# Altium PCB PCB.PcbDoc (part 2 of 3)
Units mil, origin at the board's own origin, x right, y up, seen from the top; angles counter-clockwise.
Board outline 3148.02 x 1850.61 mil, 4 copper layers (Top Layer, Power, Signal, Bottom Layer), stack 74.892 mil thick; 183 components, 163 nets, 707 pads, 859 vias.
Unrouted connection lines stored in the file: 81.
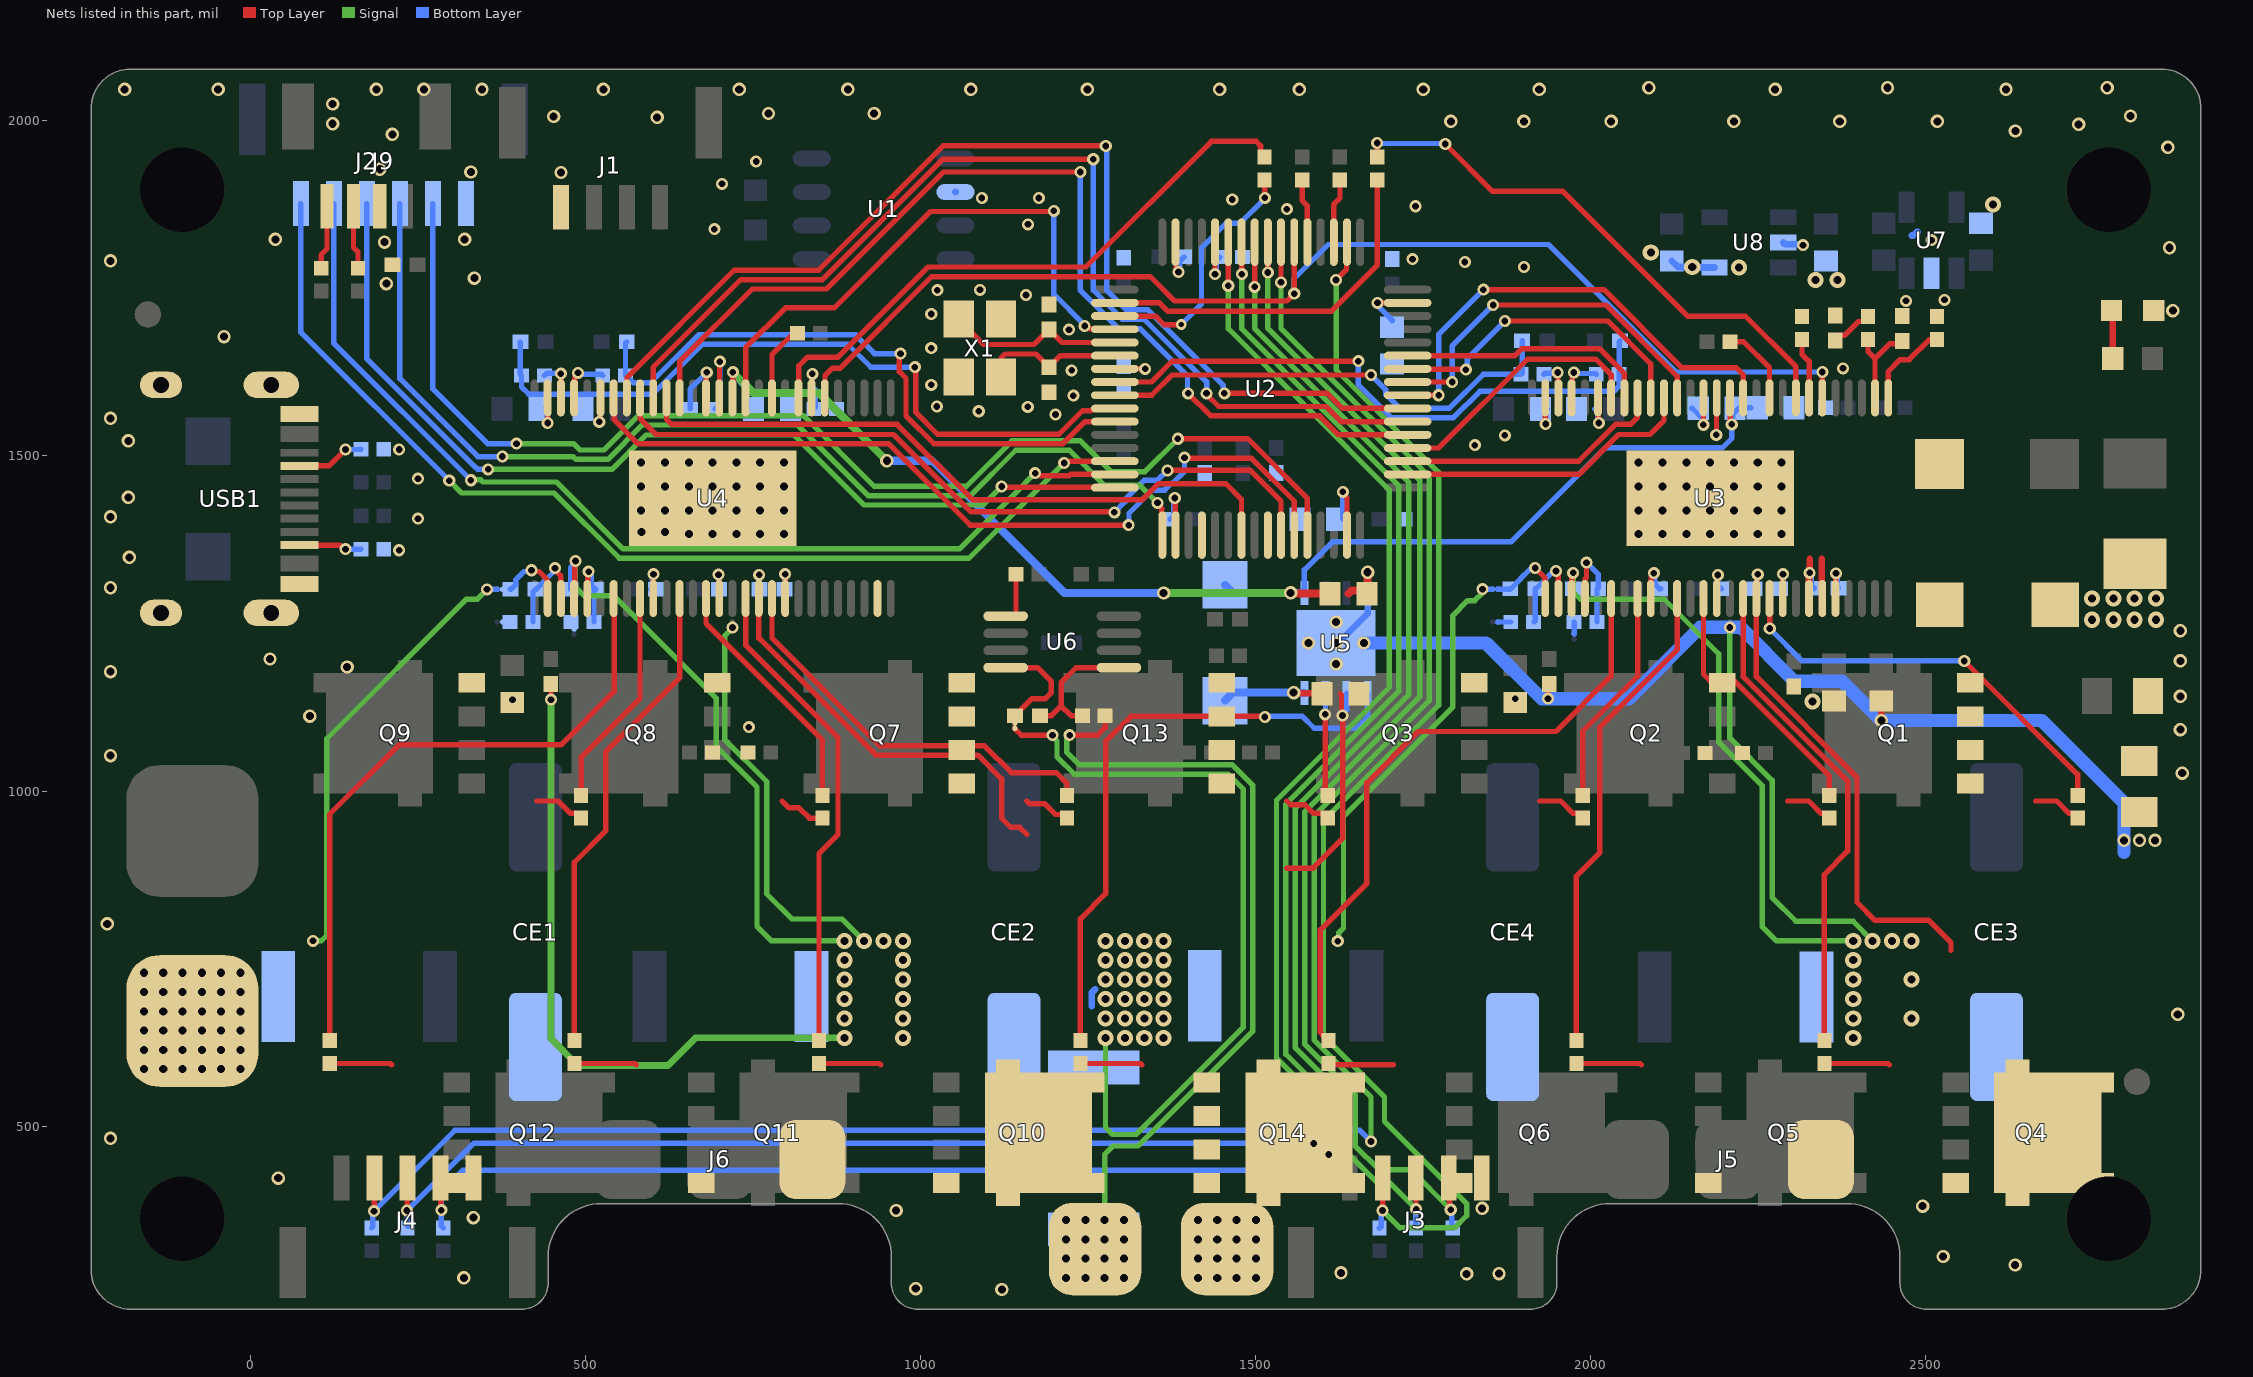
[diagram p4: the nets of this part, all layers, seen from the top]

## Via types
v1: diameter 24, hole 12, Top Layer to Bottom Layer, tented top, 470 vias
v2: diameter 18, hole 10, Top Layer to Bottom Layer, tented top, 182 vias
v3: diameter 20, hole 12, Top Layer to Bottom Layer, tented top, 107 vias
v4: diameter 24, hole 12, Top Layer to Bottom Layer, tented both sides, 66 vias
v5: diameter 18, hole 10, Top Layer to Bottom Layer, tented both sides, 31 vias
v6: diameter 20, hole 12, Top Layer to Bottom Layer, tented both sides, 2 vias
v7: diameter 16, hole 8, Top Layer to Bottom Layer, tented top, 1 vias

## Nets (pads, with @x,y where several pads share a name; then routed paths per layer and width w, separated by ;. In a path a pad name is that pad's centre, name@x,y a point inside that pad or via, vN(x,y) a via of type N, cw(c..) or ccw(c..) an arc to the next point about the centre after c; other vN are vias at no path point) (continued)
GH_A: R15.1 U3.47 | length 625.9
  Top Layer w8: U3.47@2266.97,1287.3 2267.15,1287.12 2267.15,1242.53 v5(2267.33,1242.35) ; v5(2557.47,1194.13) 2726.79,1024.81 R15.1@2726.79,993.55
  Bottom Layer w8: v5(2267.33,1242.35) 2315.55,1194.13 v5(2557.47,1194.13)
GH_A_nP: R30.2 U4.47 | length 606.9
  Top Layer w8: U4.47@778.63,1287.3 778.63,1228.21 939.41,1067.43 1095.66,1067.43 1135.72,1027.36 1202.76,1027.36 1218.84,1011.28 R30.2@1218.84,993.55
GH_B: R16.1 U3.42 | length 392.3
  Top Layer w8: U3.42@2168.54,1287.3 2168.54,1174.21 2178.77,1163.99 2214.41,1163.99 2356.16,1022.23 R16.1@2356.16,993.55
GH_B_nP: R31.2 U4.42 | length 365.7
  Top Layer w8: U4.42@680.21,1287.3 680.21,1249.87 853.84,1076.24 R31.2@853.84,993.55
GH_C: R17.1 U3.37 | length 327.6
  Top Layer w8: R17.1@1988.29,993.55 1988.29,1089.43 2070.12,1171.26 U3.37@2070.12,1287.3
GH_C_nP: R32.2 U4.37 | length 330.2
  Top Layer w8: R32.2@493.84,993.55 493.84,1050.13 581.78,1138.07 U4.37@581.78,1287.3
GL_A: R19.1 U3.45 | length 738.7
  Top Layer w8: U3.45@2227.6,1287.3 2227.6,1170.6 2383.55,1014.64 2383.55,910.22 2348.84,875.51 R19.1@2348.84,627.55
GL_A_nP: R34.2 U4.45 | length 728.5
  Top Layer w8: U4.45@739.26,1287.3 739.26,1217.7 877.06,1079.91 877.06,935.04 848.84,906.82 R34.2@848.84,627.55
GL_B: R20.1 U3.40 | length 722
  Top Layer w8: R20.1@1978.84,627.55 1978.84,873.08 2013.89,908.13 2013.89,1095.23 2129.17,1210.51 U3.40@2129.17,1287.3
GL_B_nP: R35.2 U4.40 | length 724.8
  Top Layer w8: R35.2@483.84,627.55 483.84,893.76 530.4,940.32 530.4,1058.18 640.84,1168.62 U4.40@640.84,1287.3
GL_C: R21.1 U3.35 | length 965.1
  Top Layer w8: R21.1@1608.84,627.55 1608.84,628.05 1602.21,634.68 1601.7,634.68 1596.77,639.62 1596.77,792.89 1666.08,862.2 1666.08,1012.2 1742.71,1088.83 1948.09,1088.83 2030.75,1171.48 U3.35@2030.75,1287.3
GL_C_nP: R36.2 U4.35 | length 977.2
  Top Layer w8: R36.2@118.84,627.55 118.84,965.38 222.42,1068.97 463.73,1068.97 543.14,1148.38 543.14,1286.57 U4.35@542.41,1287.3
GND: C1.2 C2.2 C3.1 C4.1 C5.1 C6.1 C7.1 C9.1 C10.1 C11.1 C13.1 C14.1 C16.1 C18.1 C21.1 C31.1 C35.1 C45.1 C52.1 C55.1 C56.1 C57.1 CT1.2 D2.2 FB1.2 FB2.1 J1.4 J2.2 J3.5 J4.5 J9.6 LED1.2 R3.1 R7.2 R8.2 R11.1 R12.2 R14.2 R29.2 U1.2 U2.18 U2.63 U3.57 U4.55 U4.57 U7.2 U8.2 U8.4 USB1.0 USB1.A1 USB1.A12 USB1.B1 USB1.B12 X1.G | length 310.4
  Top Layer w8: v2(1379.59,1437.2) 1380.13,1436.66 1380.13,1382.4 U2.18@1380.66,1381.86 ; U2.63@1380.66,1818.87 1381.39,1818.14 1381.39,1780.18 1385.04,1776.53 v2(1385.04,1774.51)
  Top Layer w10: v4(2071.78,1489.85) v4(2107.31,1489.85)
  Bottom Layer w8: C4.1@1373.08,1405.67 1378.55,1411.15 1377.68,1412.02 1377.68,1435.28 v2(1379.59,1437.2) ; v2(1385.04,1774.51) 1386.96,1776.42 1386.96,1789.97 1386.42,1789.97 1393.25,1796.8 C7.1@1393.81,1796.8
  Bottom Layer w10: U1.2@1052.54,1893.8 U1.2@1052.98,1894.23 ; C56.1@2121.09,1791.05 2130.35,1781.8 v4(2151.7,1781.8) 2152.29,1781.21 U8.4@2184.91,1781.21 ; U8.2@2287.28,1818.61 2290.27,1815.62 2315.78,1815.62 v5(2316.93,1814.48) ; 2479.24,1828.86 2481.41,1828.86 2486.74,1834.2 2488.13,1834.2
  other v1: 2748.33,1255.54 2780.08,1255.54 2811.83,1255.54 2843.59,1255.54 2748.33,1287.3 2780.08,1287.3 2811.83,1287.3 2843.59,1287.3
  other v2: 391.46,1136.23 1887.71,1137.83 222.42,1359.2 250.36,1406.33 250.36,1466.13 222.42,1509.47 1827.37,1515.96 1872.12,1530.66 1201.67,1561.66 1087.16,1566.66 1024.58,1573.71 1160.22,1573.16 1228.18,1589.92 1016.29,1605.95 1225.69,1627.67 2376.49,1630.63 1016.29,1660.79 1221.76,1688.36 1016.29,1711.75 2470.62,1731.3 2528.16,1732.79 1157.58,1740.06 1025.42,1747.31 1088.93,1747.86 1900.53,1781.99 1812.41,1789.34 1734.42,1793.5 2508.8,1821.88 692.67,1838.35 1160.52,1845.42 1546.84,1868.15 1738.8,1872.52 1465.31,1882.54 1091.66,1884.84 1176.82,1884.71 704.07,1905.93 754.94,1939.4
  other v3: 1121.71,256.19 993.1,257.44 319,273.55 1815,279.7 1863.36,279.9 1627.65,280.94 2633.52,292.81 2526.04,305.54 333.17,363.53 963.84,374.17 1838.22,377.4 2495.49,380.64 41.97,422.44 -208.29,481.8 2876.08,666.8 -213.18,801.67 2882.76,1026.55 -208.29,1052.91 2879.83,1091.66 89.17,1111.8 2879.83,1141.35 -208.29,1178 144.63,1185.11 2879.83,1194.14 29.64,1196.92 2879.83,1239.14 -208.29,1303.26 -180.13,1348.64 -208.29,1409.11 -181.74,1438.18 -181.74,1522.5 -208.29,1555.9 -39,1678 2868.81,1716.66 203.34,1756.99 334.61,1765.18 -208.29,1791.07 2863.69,1810.54 200.49,1818.96 37.54,1823.1 320,1823.1 463.81,1922.8 329.23,1923.64 193.5,1927.67 2861.35,1960.22 212.3,1979.67 2633.81,1984.84 2728.28,1994.68 123.06,1995.61 1791.61,1999.03 1900.53,1999.03 2030.58,1999.03 2213.88,1999.03 2371.74,1999.03 2517.32,1999.03 607.15,2005.16 452.82,2006.42 2805.62,2007.12 773.4,2010.9 930.96,2010.9 123.06,2025 -187.15,2046.8 -47.6,2046.8 188.21,2046.8 259.22,2046.8 346.01,2046.8 526.91,2046.8 729.78,2046.8 891.71,2046.8 1075.29,2046.8 1249.05,2046.8 1446.57,2046.8 1565.37,2046.8 1750.33,2046.8 1923.41,2046.8 2275.35,2046.8 2619.8,2046.8 2086.84,2049.28 2443.06,2049.28 2770.8,2049.28
  other v4: 2330.89,1133.36 654.5,1383.27 690.03,1383.27 725.55,1383.27 761.07,1383.27 796.6,1383.27 2071.78,1383.27 2107.31,1383.27 2142.83,1383.27 2178.36,1383.27 2213.88,1383.27 2249.41,1383.27 2284.93,1383.27 583.81,1386.8 618.81,1386.8 583.45,1418.8 618.97,1418.8 654.5,1418.8 690.03,1418.8 725.55,1418.8 761.07,1418.8 796.6,1418.8 2071.78,1418.8 2107.31,1418.8 2142.83,1418.8 2178.36,1418.8 2213.88,1418.8 2249.41,1418.8 2284.93,1418.8 583.45,1454.32 618.97,1454.32 654.5,1454.32 690.03,1454.32 725.55,1454.32 761.07,1454.32 796.6,1454.32 2071.78,1454.32 2107.31,1454.32 2142.83,1454.32 2178.36,1454.32 2213.88,1454.32 2249.41,1454.32 2284.93,1454.32 583.45,1489.85 618.97,1489.85 654.5,1489.85 690.03,1489.85 725.55,1489.85 761.07,1489.85 796.6,1489.85 2142.83,1489.85 2178.36,1489.85 2213.88,1489.85 2249.41,1489.85 2284.93,1489.85 2335.61,1762.58 2368.46,1762.58 2221.61,1781.21 2089.8,1803.65 2600.29,1875.36
GPIO_1: J9.1 U2.14 | length 1605.9
  Top Layer w8: v2(1214.59,1489.41) 1216.5,1491.33 1220.79,1491.33 1221.56,1492.1 U2.14@1290.11,1492.1
  Signal w8: v2(297.11,1463.12) 315.55,1444.68 453.38,1444.68 550.8,1347.27 1072.45,1347.27 v2(1214.59,1489.41)
  Bottom Layer w8: J9.1@75.78,1876.41 75.78,1684.45 v2(297.11,1463.12)
GPIO_2: J9.2 U2.15 | length 1550.4
  Top Layer w8: v2(1171.25,1474.25) 1173.96,1474.25 1177.8,1470.41 1222.46,1470.41 1224.46,1472.41 U2.15@1290.11,1472.41
  Signal w8: v2(329.23,1463.68) 329.96,1464.41 343.86,1464.41 347.26,1461 456.86,1461 556.59,1361.27 1058.28,1361.27 1140.91,1443.91 v2(1171.25,1474.25)
  Bottom Layer w8: J9.2@124.99,1876.41 124.99,1667.92 v2(329.23,1463.68)
GPIO_3: J9.3 U2.16 | length 1492.4
  Top Layer w8: v2(1121.3,1454.32) 1122.16,1453.46 1289.38,1453.46 U2.16@1290.11,1452.73
  Signal w8: v2(355.13,1480) 539.65,1480 590.87,1531.22 811.7,1531.22 916.17,1426.75 1093.72,1426.75 v2(1121.3,1454.32)
  Bottom Layer w8: J9.3@174.21,1876.41 174.21,1644.75 336.28,1482.68 337.1,1482.68 339.78,1480 v2(355.13,1480)
GPIO_4: J9.4 U2.17 | length 1617.8
  Top Layer w8: v2(1353.67,1430.01) 1353.67,1427.84 1360.25,1421.27 1360.25,1382.59 U2.17@1360.98,1381.86
  Signal w8: v2(376.28,1499) 481.97,1499 486.17,1494.8 533.73,1494.8 584.99,1546.07 816.65,1546.07 921.97,1440.75 1074.69,1440.75 1142.36,1508.41 1222.46,1508.41 1274.89,1455.98 1327.7,1455.98 v2(1353.67,1430.01)
  Bottom Layer w8: J9.4@223.42,1876.41 223.42,1615.34 339.75,1499 v2(376.28,1499)
GPIO_5: J9.5 U2.28 | length 1842.9
  Top Layer w8: v2(1384.16,1525.56) 1488.62,1525.56 1577.51,1436.67 U2.28@1577.51,1381.86
  Signal w8: v2(397.57,1518.22) 482.56,1518.22 491.97,1508.8 527.93,1508.8 579.19,1560.07 825.64,1560.07 930.96,1454.75 1068.89,1454.75 1136.56,1522.41 1238.77,1522.41 1284.6,1476.59 1335.19,1476.59 v2(1384.16,1525.56)
  Bottom Layer w8: J9.5@272.63,1876.41 272.63,1599.92 354.34,1518.22 v2(397.57,1518.22)
GVDD: C21.2 C35.2 C48.2 D3.2 U3.13 U4.13 U5.1 | length 2105.7
  Top Layer w8: U4.13@719.58,1586.51 719.86,1586.79 719.86,1624.63 v2(720.14,1624.91) ; U3.13@2207.91,1586.51 2208.64,1585.78 2208.64,1555.66 2208.71,1555.6 2208.71,1548.99 v2(2210.62,1547.07)
  Top Layer w12: v3@1553.17,1294.92 C48.2@1600.69,1294.92
  Top Layer w15: v3(1552.52,1295.57) v3@1553.17,1294.92 ; C48.2@1600.69,1294.92 C48.2@1601.34,1294.26
  Signal w12: v2(720.14,1624.91) 750.98,1594.07 848.57,1594.07 v3(949.89,1492.75) ; v3(1363.06,1295.42) 1363.35,1295.13 1552.08,1295.13 v3(1552.52,1295.57)
  Bottom Layer w8: v2(720.14,1624.91) 720.14,1621.11 741.41,1599.84 C35.2@741.41,1569.96 ; U5.1@1573.03,1295.42 1573.03,1329.95 1614.88,1371.8 1881.55,1371.8 2021.75,1512 2196.49,1512 2210.62,1526.13 v2(2210.62,1547.07) 2212.54,1548.99 2212.54,1562.73 2221.61,1571.8 C21.2@2238.81,1571.8
  Bottom Layer w12: v3(949.89,1492.75) 1017.71,1492.75 1215.03,1295.42 v3(1363.06,1295.42) ; D3.2@1454.53,1307.53 1466.63,1295.42 1466.78,1295.57 v3(1552.52,1295.57) ; v3@1552.67,1295.42 U5.1@1573.03,1295.42
M0_ENC_A: J3.4 R58.1 U2.56 | length 1803.9
  Top Layer w8: v2(1518.45,1773.68) U2.56@1518.46,1818.87 ; J3.4@1788.38,422.67 1789.87,421.18 1789.87,376.77 v5(1791.36,375.27)
  Signal w8: v2(1518.45,1773.68) 1518.45,1690.14 1663.89,1544.71 1664.08,1544.71 1745.29,1463.49 1745.29,1140.7 1573.43,968.84 1573.43,622.62 1648.79,547.26 1648.79,470.4 1684.19,435 1731.63,435 v5(1791.36,375.27)
  Bottom Layer w8: v5(1791.36,375.27) 1792.82,373.81 1792.82,349.57 R58.1@1794.29,348.11
M0_ENC_B: J3.3 R57.1 U2.57 | length 1769.2
  Top Layer w8: v2(1498.77,1752.18) U2.57@1498.77,1818.87 ; J3.3@1739.17,422.67 1739.45,422.39 1739.45,376.39 v5(1739.73,376.11)
  Signal w8: v2(1498.77,1752.18) 1498.77,1690.02 1658.09,1530.71 1658.28,1530.71 1728.8,1460.18 1728.8,1144.01 1559.43,974.64 1559.43,616.82 1627.31,548.95 1627.31,469.62 1681.93,415 1700.83,415 v5(1739.73,376.11)
  Bottom Layer w8: R57.1@1738.84,348.11 1739.28,348.55 1739.28,375.66 v5(1739.73,376.11)
M0_ENC_Z: J3.2 R56.1 U2.50 | length 1903.4
  Top Layer w8: v2(1620.28,1762.52) 1635.84,1778.08 1635.84,1818.14 U2.50@1636.57,1818.87 ; v5(1689.43,374.17) 1689.69,374.44 1689.69,422.4 J3.2@1689.96,422.67
  Signal w8: v2(1620.28,1762.52) 1620.28,1628.54 1773.29,1475.52 1773.29,1127.98 1601.43,956.12 1601.43,634.22 1692.42,543.23 1692.42,506.86 1815,384.28 1815,366.3 1796.98,348.28 1715.32,348.28 v5(1689.43,374.17)
  Bottom Layer w8: R56.1@1684.94,347.49 1687.52,350.07 1687.52,372.26 v5(1689.43,374.17)
M0_nCS: R54.1 U3.8 | length 830.8
  Top Layer w8: R54.1@1681.64,1945.74 v2(1681.64,1966.96) ; v2(1783.19,1965.39) 1853.91,1894.67 1958.88,1894.67 2144.92,1708.63 2230.8,1708.63 2306.34,1633.1 U3.8@2306.34,1586.51
  Bottom Layer w8: v2(1681.64,1966.96) 1682.43,1966.17 1782.41,1966.17 v2(1783.19,1965.39)
M0_SN1: NT1.1 R22.1 | length 17.6
  Bottom Layer w8: NT1.1@1975.41,1234.48 R22.1@1975.41,1252.11
M0_SN2: NT2.1 R27.1 | length 19.1
  Bottom Layer w8: NT2.1@1861.7,1252.11 R27.1@1880.83,1252.11
M0_SP1: C25.1 NT3.1 U3.32 | length 62.9
  Top Layer w8: U3.32@1971.69,1287.3 1971.69,1323.2 v2(1974,1325.52)
  Bottom Layer w8: C25.1@1974,1301.8 v2(1974,1325.52)
M0_SP2: C26.1 NT4.1 U3.30 | length 120.7
  Top Layer w8: v2(1917.38,1332.82) 1931.59,1318.61 1931.59,1288.03 U3.30@1932.32,1287.3
  Bottom Layer w8: NT4.1@1861.7,1301.19 1879.51,1301.19 C26.1@1880.12,1301.8 1881.1,1301.8 1895.71,1316.41 1895.71,1316.77 1909.85,1330.91 1915.47,1330.91 v2(1917.38,1332.82)
M0_TEMP: C12.2 R9.1 RT1.2 U2.25
M1_ENC_A: J4.4 R61.1 U2.58 | length 3005.3
  Top Layer w8: J4.4@283.96,422.67 284.61,422.01 284.61,375.27 v5(285.27,374.61) ; U2.58@1479.09,1818.87 1479.35,1818.6 1479.35,1771.44 v2(1479.62,1771.17)
  Signal w8: v2(1479.62,1771.17) 1479.62,1689.38 1652.29,1516.71 1652.48,1516.71 1713.58,1455.61 1713.58,1148.58 1545.43,980.44 1545.43,607.23 1609.17,543.49 v5(1609.17,457.57)
  Bottom Layer w8: R61.1@288.2,348.11 285.27,351.04 v5(285.27,374.61) 285.27,402.2 317.37,434.29 1585.89,434.29 v5(1609.17,457.57)
M1_ENC_B: J4.3 R60.1 U2.59 | length 3004.8
  Top Layer w8: v5(233.84,374.17) 234.29,374.63 234.29,422.21 J4.3@234.75,422.67 ; v2(1459.4,1753.91) U2.59@1459.4,1818.87
  Signal w8: v2(1459.4,1753.91) 1459.4,1689.8 1576.89,1572.31 1576.89,1572.09 1699.58,1449.4 1699.58,1154.38 1531.43,986.24 1531.43,601.43 1586.92,545.94 v5(1586.92,474.16)
  Bottom Layer w8: R60.1@235.39,350.57 234.29,351.67 234.29,373.72 v5(233.84,374.17) 334.27,474.6 1586.47,474.6 v5(1586.92,474.16)
M1_ENC_Z: J4.2 R59.1 U2.55 | length 3157.7
  Top Layer w8: v5(184.94,373.22) 185.24,373.51 185.24,422.37 J4.2@185.54,422.67 ; v2(1538.14,1758.94) U2.55@1538.14,1818.87
  Signal w8: v2(1538.14,1758.94) 1538.14,1690.25 1669.69,1558.71 1669.87,1558.71 1759.29,1469.29 1759.29,1134.9 1587.43,963.04 1587.43,628.42 1672.36,543.49 v5(1672.36,477.13)
  Bottom Layer w8: R59.1@181.29,348.11 183.11,349.94 v5@183.11,371.39 ; v5(184.94,373.22) 305.33,493.6 1655.89,493.6 v5(1672.36,477.13)
M1_nCS: R55.1 U4.8 | length 898.1
  Top Layer w8: U4.8@818.01,1586.51 818.73,1587.24 818.73,1634.47 831.57,1647.31 877.03,1647.31 1011.57,1781.85 1246.76,1781.85 1434.22,1969.3 1501.19,1969.3 1507.81,1962.68 1507.81,1951.54 R55.1@1513.61,1945.74
M1_SN1: NT6.1 R37.1
M1_SN2: NT7.1 R42.1
M1_SP1: C39.1 NT8.1 U4.32 | length 102.3
  Top Layer w8: U4.32@483.36,1287.3 484.09,1288.03 484.09,1342.05 v2(485.36,1343.31)
  Bottom Layer w8: C39.1@478.01,1300.85 478.01,1333.26 485.36,1340.61 v2(485.36,1343.31)
M1_SP2: C40.1 NT9.1 U4.30 | length 105.2
  Top Layer w8: v2(419.9,1329.39) 421.81,1327.47 431.37,1327.47 442.28,1316.56 443.26,1315.58 443.26,1288.03 U4.30@443.99,1287.3
  Bottom Layer w8: C40.1@388.29,1300.85 389.27,1300.85 396.1,1307.68 396.1,1314.76 408.81,1327.47 417.98,1327.47 v2(419.9,1329.39)
M1_TEMP: C32.2 R28.2 RT2.2 U2.20
  other v2: 744.11,1095.21
NetC9_2: C9.2 U2.47 | length 80.4
  Top Layer w8: v2(1682.14,1728.32) U2.47@1727.12,1728.32
  Bottom Layer w8: v2(1682.14,1728.32) 1683.41,1727.04 1683.41,1723.22 1703.81,1702.82 C9.2@1703.81,1701.83
NetC10_2: C10.2 U2.31 | length 108
  Top Layer w8: v2(1630.35,1446.31) 1630.35,1443.61 1636.57,1437.39 U2.31@1636.57,1381.86
  Bottom Layer w8: v2(1630.35,1446.31) 1630.35,1406.43 C10.2@1631.11,1405.67
NetC16_2: C16.2 R13.2 U3.2 | length 143
  Top Layer w8: R13.2@2413.82,1673.64 2413.82,1655.64 2424.45,1645.01 ; U3.2@2424.45,1586.51 2424.45,1645.01 ; C16.2@2465.02,1671.24 2461.23,1667.44 2446.88,1667.44 2424.45,1645.01
NetC17_1: C17.1 D2.1 L1.1 U3.50 U3.51 | length 144.1
  Top Layer w10: U3.50@2326.02,1287.3 2326.02,1324.69 v2(2326.85,1325.52) 2326.85,1346.36 ; 2344.81,1346.36 2344.81,1288.19 U3.51@2345.71,1287.3
  Bottom Layer w10: v2(2326.85,1325.52) 2328,1324.37 2328,1307.01 C17.1@2332.45,1302.56
NetC17_2: C17.2 U3.52 | length 61.6
  Top Layer w8: U3.52@2365.39,1287.3 2365.74,1287.65 2365.74,1324.46 v2(2366.1,1324.82)
  Bottom Layer w8: v2(2366.1,1324.82) 2367.97,1322.94 2367.97,1304.44 C17.2@2369.85,1302.56
NetC18_2: C18.2 R13.1 | length 64.5
  Top Layer w8: C18.2@2364.93,1672.03 2364.93,1673.01 2371.76,1679.84 2378.88,1679.84 2399.63,1700.58 2407.19,1700.58 2413.82,1707.21 R13.1@2413.82,1707.72
NetC19_2: C19.2 U3.48 | length 58.6
  Top Layer w8: U3.48@2286.65,1287.3 2286.93,1287.58 2286.93,1323.28 v5(2287.22,1323.56)
  Bottom Layer w8: C19.2@2286.41,1301.8 2287.22,1302.61 v5(2287.22,1323.56)
NetC20_2: C20.2 U3.43 | length 58.4
  Top Layer w8: U3.43@2188.23,1287.3 2188.95,1288.03 2188.95,1321.45 v5(2189.82,1322.32)
  Bottom Layer w8: v5(2189.82,1322.32) 2189.82,1307.02 C20.2@2195.04,1301.8
NetC22_1: C22.1 U3.14 | length 95.3
  Top Layer w8: v5(2187.47,1531.47) 2187.85,1531.85 2187.85,1586.13 U3.14@2188.23,1586.51
  Bottom Layer w8: v5(2187.47,1531.47) 2187.79,1531.79 2187.79,1570.78 2188.12,1571.11
NetC22_2: C22.2 U3.15 | length 72.6
  Top Layer w8: v5(2168.22,1546.5) 2168.38,1546.66 2168.38,1586.35 U3.15@2168.54,1586.51
  Bottom Layer w8: C22.2@2150.72,1571.11 2151.7,1571.11 2166.69,1556.11 2166.69,1548.03 v5(2168.22,1546.5)
NetC23_2: C23.2 U3.38 | length 68.2
  Top Layer w8: U3.38@2089.8,1287.3 2090.53,1288.03 2090.53,1319.08 2094.33,1322.88 v5(2094.33,1325.04)
  Bottom Layer w8: v5(2094.33,1325.04) 2095.86,1323.51 2095.86,1308.63 2102.68,1301.8 C23.2@2104.6,1301.8
NetC24_1: C24.1 U3.23 | length 61
  Top Layer w8: U3.23@2011.06,1586.51 2011.69,1585.88 2011.69,1549.87 v2(2012.32,1549.24)
  Bottom Layer w8: 2006.41,1569.96 2010.41,1565.96 2010.41,1551.15 v2(2012.32,1549.24)
NetC25_2: C25.2 R22.2 U3.33 | length 151.2
  Top Layer w8: U3.33@1991.38,1287.3 1992.1,1288.03 1992.1,1316.75 1993.88,1318.53 v2(1993.88,1340.68)
  Bottom Layer w8: v2(1993.88,1340.68) 1994.26,1340.68 2011.35,1323.59 2011.35,1302.72 2009.49,1300.87 R22.2@2009.49,1252.11
NetC26_2: C26.2 R27.2 U3.31 | length 134.6
  Top Layer w8: v2(1948.28,1328.25) 1948.28,1326.09 1952.01,1322.36 U3.31@1952.01,1287.3
  Bottom Layer w8: R27.2@1915.9,1252.11 1917.52,1253.74 C26.2@1917.52,1301.8 1918.51,1301.8 1943.43,1326.72 1946.75,1326.72 v2(1948.28,1328.25)
NetC27_2: C27.2 R25.2 U2.8 | length 908.6
  Top Layer w8: U2.8@1290.11,1610.21 1344.71,1610.21 1375.81,1641.31 v2(1653.42,1641.31)
  Bottom Layer w8: v2(1653.42,1641.31) 1653.42,1605.79 1702.07,1557.14 1795.42,1557.14 1834.68,1596.39 2034.8,1596.39 2042.55,1604.15 R25.2@2042.55,1621.8 2042.55,1670.54 C27.2@2043.81,1671.8
NetC28_2: C28.2 R26.2 U2.9 | length 714.9
  Top Layer w8: U2.9@1290.11,1590.52 1345.09,1590.52 1375.31,1620.74 v2(1672.42,1620.74)
  Bottom Layer w8: v2(1672.42,1620.74) 1694.61,1598.55 1694.61,1591.47 1714.88,1571.2 1789.39,1571.2 1840,1621.8 R26.2@1896.18,1621.8 1897.87,1623.49 C28.2@1897.87,1671.8
NetC29_2: C29.2 U3.27 | length 63
  Top Layer w8: U3.27@1932.01,1586.82 1932.6,1586.23 1932.6,1547.83 v2(1932.88,1547.55)
  Bottom Layer w8: v2(1932.88,1547.55) 1932.88,1567.57 C29.2@1935.27,1569.96
NetC33_2: C33.2 U4.48 | length 59.3
  Top Layer w8: U4.48@798.32,1287.3 v5(798.33,1323.52)
  Bottom Layer w8: C33.2@797.33,1300.85 797.83,1301.36 797.83,1323.01 v5(798.33,1323.52)
NetC34_2: C34.2 U4.43 | length 58.2
  Top Layer w8: v5(698.77,1322.74) 699.89,1321.62 U4.43@699.89,1287.3
  Bottom Layer w8: v5(698.77,1322.74) 699.25,1322.26 699.25,1301.33 C34.2@699.73,1300.85
NetC36_1: C36.1 U4.14 | length 128.1
  Top Layer w8: U4.14@699.89,1586.51 700.32,1586.93 700.32,1640.23 v2(700.74,1640.66)
  Bottom Layer w8: C36.1@693.81,1569.96 693.91,1569.96 700.74,1576.79 v2(700.74,1640.66)
NetC36_2: C36.2 U4.15 | length 103.8
  Top Layer w8: U4.15@680.21,1586.51 680.76,1587.06 680.76,1624.19 v2(681.32,1624.74)
  Bottom Layer w8: C36.2@656.41,1569.96 656.41,1599.83 v2(681.32,1624.74)
NetC37_2: C37.2 U4.38 | length 60.8
  Top Layer w8: U4.38@601.47,1287.3 601.6,1287.43 601.6,1323.39 v5(601.73,1323.52)
  Bottom Layer w8: C37.2@597.33,1300.85 600.2,1303.72 600.2,1321.98 v5(601.73,1323.52)
NetC38_1: C38.1 U4.23 | length 56.7
  Top Layer w8: v2(520.89,1550.76) 522,1551.87 522,1585.78 U4.23@522.73,1586.51
  Bottom Layer w8: v2(520.89,1550.76) 522.65,1552.52 522.65,1569.04 523.5,1569.89
NetC39_2: C39.2 R37.2 U4.33 | length 121.3
  Top Layer w8: U4.33@503.04,1287.3 503.77,1288.03 503.77,1325.88 v2(505.13,1327.23)
  Bottom Layer w8: v2(505.13,1327.23) 505.13,1324.52 509.17,1320.48 509.17,1307.68 508.91,1307.43 508.84,1307.43 C39.2@515.41,1300.85 513.03,1298.47 R37.2@513.03,1252.25
NetC40_2: C40.2 R42.2 U4.31 | length 143.3
  Top Layer w8: v2(454.88,1332.52) 454.88,1329.81 463.67,1321.02 U4.31@463.67,1287.3
  Bottom Layer w8: R42.2@421.97,1252.25 421.97,1297.14 C40.2@425.69,1300.85 426.67,1300.85 452.97,1327.15 452.97,1330.6 v2(454.88,1332.52)
NetC41_2: C41.2 R40.2 U2.11 | length 946.3
  Top Layer w8: v2(970.26,1652.62) 968.73,1651.09 968.73,1625.74 978.61,1615.86 978.61,1559.68 1020.01,1518.28 1212.73,1518.28 1245.6,1551.15 U2.11@1290.11,1551.15
  Bottom Layer w8: C41.2@561.82,1669.99 560.16,1668.33 R40.2@560.16,1619.97 560.66,1619.97 571.29,1609.35 597.72,1609.35 669,1680.62 903.35,1680.62 931.35,1652.62 v2(970.26,1652.62)
NetC42_2: C42.2 R41.2 U2.10 | length 1098.9
  Top Layer w8: v2(991.84,1632.43) 993.18,1631.09 993.18,1564.91 1025.81,1532.28 1206.93,1532.28 1242.27,1567.63 1254.68,1567.63 1255.98,1568.93 1257.65,1568.93 1259.55,1570.84 U2.10@1290.11,1570.84
  Bottom Layer w8: C42.2@403.27,1669.99 403.27,1621.64 R41.2@404.93,1619.97 404.93,1602.85 415.76,1592.02 600.2,1592.02 674.79,1666.62 891.71,1666.62 926.06,1632.27 991.68,1632.27 v2(991.84,1632.43)
NetC43_2: C43.2 U4.27 | length 61.3
  Top Layer w8: v2(443.99,1549.12) U4.27@443.99,1586.51
  Bottom Layer w8: C43.2@440.68,1571.67 442.46,1569.89 442.46,1550.65 v2(443.99,1549.12)
NetC47_1: C47.1 J7.1 Q13.S Q14.D U5.6 | length 354.6
  Top Layer w8: 1546.84,885.04 1585.96,885.04 1630.04,929.11 1630.04,1107.02 1629.91,1107.14 v2(1629.91,1112.8) 1628.42,1114.29 1628.42,1143.59 1626.93,1145.08
  Bottom Layer w8: v2(1629.91,1112.8) 1629.91,1114.96 1636.02,1121.08 U5.6@1636.02,1146.21
  other v1: 1414.23,273.55 1442.99,273.55 1471.75,273.55 1500.51,273.55 1414.23,302.31 1442.99,302.31 1471.75,302.31 1500.51,302.31 1414.23,331.07 1442.99,331.07 1471.75,331.07 1500.51,331.07 1414.23,359.83 1442.99,359.83 1471.75,359.83 1500.51,359.83
NetC47_2: C47.2 D3.1 U5.8 | length 157.1
  Top Layer w10: v3(1556.96,1146.83) 1557.84,1145.95 1588.65,1145.95 C47.2@1589.53,1145.08
  Bottom Layer w12: D3.1@1454.53,1134.89 1466.47,1146.83 v3(1556.96,1146.83) ; v3@1556.86,1146.52 1572.94,1146.52 1573.03,1146.43 U5.8@1573.03,1146.21
NetC49_2: C49.2 R46.2 U6.1 | length 205.4
  Top Layer w8: C49.2@1178.48,1112.39 1195.41,1112.39 1210.12,1127.1 ; R46.2@1241.64,1112.39 1224.84,1112.39 1210.12,1127.1 ; U6.1@1296.32,1184.14 1232.6,1184.14 1210.12,1161.66 1210.12,1127.1
NetJ2_3: J2.3 R4.2 | length 95.4
  Top Layer w8: J2.3@154.13,1872.47 154.29,1872.3 154.29,1811.07 160.99,1804.38 R4.2@160.99,1779.94
NetJ2_4: J2.4 R6.1 | length 96.1
  Top Layer w8: R6.1@106.08,1779.94 106.08,1800.42 114.76,1809.1 J2.4@114.76,1872.47
NetLED1_1: LED1.1 R49.1 | length 72
  Top Layer w10: LED1.1@2777.34,1716.66 2779.15,1714.85 R49.1@2779.15,1645.45
NetQ1_G: Q1.G R15.2 | length 73.8
  Top Layer w8: 2663.84,985.04 2695.53,985.04 2713.96,966.6 2720.16,966.6 2726.79,959.97 R15.2@2726.79,959.47
NetQ2_G: Q2.G R16.2 | length 73.2
  Top Layer w8: 2293.84,985.04 2325.53,985.04 2343.96,966.6 2349.53,966.6 2356.16,959.97 R16.2@2356.16,959.47
NetQ3_G: Q3.G R17.2 | length 75.3
  Top Layer w8: 1923.84,985.04 1955.53,985.04 1973.96,966.6 1981.66,966.6 1988.29,959.97 R17.2@1988.29,959.47
NetQ4_G: Q4.G R19.2 | length 98
  Top Layer w8: R19.2@2348.84,593.47 2444.08,593.47 2446.04,591.51
NetQ5_G: Q5.G R20.2 | length 98
  Top Layer w8: R20.2@1978.84,593.47 2074.08,593.47 2076.04,591.51
NetQ6_G: Q6.G R21.2 | length 98
  Top Layer w8: R21.2@1608.84,593.47 1610.8,591.51 1706.04,591.51
NetQ7_G: Q7.G R30.1 | length 70.6
  Top Layer w8: 1158.84,985.04 1163,980.87 1185.84,980.87 1201.67,965.04 1213.27,965.04 R30.1@1218.84,959.47
NetQ8_G: Q8.G R31.1 | length 70.6
  Top Layer w8: 793.84,985.04 804.11,974.77 818.99,974.77 834.3,959.47 R31.1@853.84,959.47
NetQ9_G: Q9.G R32.1 | length 76.9
  Top Layer w8: 427.84,985.04 459.52,985.04 477.96,966.6 487.21,966.6 493.84,959.97 R32.1@493.84,959.47
NetQ10_G: Q10.G R34.1 | length 93
  Top Layer w8: R34.1@848.84,593.47 939.08,593.47 941.04,591.51
NetQ11_G: Q11.G R35.1 | length 93
  Top Layer w8: R35.1@483.84,593.47 574.08,593.47 576.04,591.51
NetQ12_G: Q12.G R36.1 | length 93
  Top Layer w8: R36.1@118.84,593.47 209.08,593.47 211.04,591.51
NetQ13_G: Q13.G R44.1 | length 74.3
  Top Layer w8: 1546.84,985.04 1552.37,979.5 1573.84,979.5 1586.74,966.6 1601.34,966.6 1608.84,959.1 R44.1@1608.84,957.56
NetQ14_G: Q14.G R45.1 | length 92.3
  Top Layer w8: R45.1@1238.81,593.47 1328.3,593.47 1330.26,591.51
NetR3_2: R3.2 USB1.A5 | length 101.9
  Top Layer w8: USB1.A5@73.63,1485.07 117.93,1485.07 v2(142.33,1509.47)
  Bottom Layer w8: v2(142.33,1509.47) 165,1509.47 R3.2@165.29,1509.75
NetR7_1: R7.1 USB1.B5 | length 94.2
  Top Layer w8: USB1.B5@73.63,1366.96 134.06,1366.96 140.16,1360.85 v2(142.33,1360.85)
  Bottom Layer w8: v2(142.33,1360.85) R7.1@165.29,1360.85
NetR8_1: R8.1 U2.60 | length 76.2
  Top Layer w8: v2(1439.68,1771.22) U2.60@1439.72,1818.87
  Bottom Layer w8: v2(1439.68,1771.22) 1441.59,1773.13 1441.59,1791.5 1441.53,1791.56 R8.1@1446.77,1796.8
NetR12_1: R12.1 U3.1 | length 131.9
  Top Layer w8: U3.1@2444.13,1586.51 2444.13,1625.73 2461.91,1643.51 2475.29,1643.51 2505.42,1673.64 R12.1@2516.96,1673.64
NetR14_1: R14.1 U3.7 | length 91.5
  Top Layer w8: R14.1@2315.48,1673.64 2315.48,1651.51 2326.02,1640.97 U3.7@2326.02,1586.51
NetR18_2: R18.2 U3.10 | length 120.3
  Top Layer w8: R18.2@2207.79,1670.31 2228.23,1670.31 2266.97,1631.58 U3.10@2266.97,1586.51
NetR25_1: R25.1 U3.25 | length 73.7
  Top Layer w8: U3.25@1971.69,1586.51 1972.42,1587.24 1972.42,1615.76 1973.02,1616.36 1973.02,1622.39 v2(1974.93,1624.3)
  Bottom Layer w8: v2(1974.93,1624.3) 1976.18,1623.05 2007.22,1623.05 R25.1@2008.47,1621.8
NetR26_1: R26.1 U3.26 | length 60.3
  Top Layer w8: v2(1950.93,1624.55) 1951.47,1624.02 1951.47,1587.04 U3.26@1952.01,1586.51
  Bottom Layer w8: R26.1@1930.26,1621.8 1931.63,1623.18 1949.56,1623.18 v2(1950.93,1624.55)
NetR29_1: R29.1 U4.7 | length 92
  Top Layer w8: U4.7@837.69,1586.51 838.27,1587.09 838.27,1621.9 v2(838.85,1622.48)
  Bottom Layer w8: v2(838.85,1622.48) 838.85,1603.2 843.57,1598.48 843.57,1572.59 R29.1@840.94,1569.96
NetR33_2: R33.2 U4.10 | length 115.7
  Top Layer w8: U4.10@778.63,1586.51 778.63,1651.03 810.65,1683.04 R33.2@816.56,1683.04
NetR40_1: R40.1 U4.25 | length 78.3
  Top Layer w8: U4.25@483.36,1586.51 484.09,1587.24 484.09,1616 489.29,1621.2 v2(489.29,1623.9)
  Bottom Layer w8: v2(489.29,1623.9) 491.2,1621.99 524.06,1621.99 R40.1@526.08,1619.97
NetR41_1: R41.1 U4.26 | length 62.3
  Top Layer w8: U4.26@463.67,1586.51 v2(463.68,1622.63)
  Bottom Layer w8: R41.1@439.01,1619.97 442.22,1623.18 463.12,1623.18 v2(463.68,1622.63)
NetR44_2: R44.2 U5.7 | length 154.5
  Top Layer w8: v2(1604.05,1114.33) 1604.05,997.46 R44.2@1607.97,993.55
  Bottom Layer w8: v2(1604.05,1114.33) 1604.53,1114.8 U5.7@1604.53,1146.21
NetR45_2: R45.2 U5.5 | length 919.8
  Top Layer w8: R45.2@1238.81,627.55 1238.81,809.26 1276.39,846.85 1276.39,1073.82 1314.08,1111.51 1512.74,1111.51 v2(1513.96,1110.29)
  Bottom Layer w8: v2(1513.96,1110.29) 1515.18,1111.51 1569.85,1111.51 1587.73,1093.63 1650.86,1093.63 1667.52,1110.29 U5.5@1667.52,1146.21
NetR48_2: R48.2 U6.5 | length 76.3
  Top Layer w8: U6.5@1127.34,1260.92 1139.82,1260.92 1142.74,1263.84 R48.2@1142.74,1323.57
NetR52_2: R52.2 U2.51 | length 96.5
  Top Layer w8: U2.51@1616.88,1818.87 1616.88,1875.53 1626.06,1884.71 R52.2@1626.06,1911.59
NetR53_2: R53.2 U2.53 | length 96.1
  Top Layer w8: R53.2@1569.62,1911.66 1569.62,1880.97 1577.51,1873.08 U2.53@1577.51,1818.87
NetR54_2: R54.2 U2.2 | length 552.3
  Top Layer w8: U2.2@1290.11,1728.32 1356.56,1728.32 1368.87,1716 1613.37,1716 1681.64,1784.27 R54.2@1681.64,1911.66
NetR55_2: R55.2 U2.3 | length 384
  Top Layer w8: U2.3@1290.11,1708.63 1350.89,1708.63 1363.89,1695.64 1388.83,1695.64 v7(1389.22,1696.02) ; R55.2@1513.61,1911.66 1513.89,1911.38 v2(1513.89,1885)
  Bottom Layer w8: v7(1389.22,1696.02) 1419.52,1726.32 1419.52,1810.42 1456.22,1847.12 1476.69,1847.12 1513.89,1884.32 v2(1513.89,1885)
NetU2_4: U2.4 U4.12 | length 857.2
  Top Layer w8: U4.12@739.26,1586.51 739.26,1661.46 798.77,1720.96 871.49,1720.96 1015.27,1864.75 1198.34,1864.75 v2(1199.15,1865.56) ; v2(1245.14,1693.78) 1247.06,1691.87 1250.63,1691.87 1252.82,1689.68 1289.38,1689.68 U2.4@1290.11,1688.95
  Bottom Layer w8: v2(1199.15,1865.56) 1199.15,1741.19 1245.14,1695.19 v2(1245.14,1693.78)
NetU2_23: U2.23 U4.18 | length 1012.5
  Top Layer w8: U4.18@621.15,1586.51 621.15,1554.58 628.76,1546.98 965.45,1546.98 1077.7,1434.73 1331.52,1434.73 1355.38,1458.59 1420.76,1458.59 1420.81,1458.63 1455.68,1458.63 1479.09,1435.23 U2.23@1479.09,1381.86
NetU2_26: U2.26 U4.20 | length 1142.7
  Top Layer w8: U4.20@581.78,1586.51 581.82,1555.57 605.42,1531.97 959.83,1531.97 1075.07,1416.73 1288.38,1416.73 v2(1289.38,1415.73) ; v2(1368.68,1478.35) 1492.42,1478.35 1538.14,1432.63 U2.26@1538.14,1381.86
  Bottom Layer w8: v2(1289.38,1415.73) 1305.51,1431.86 1305.51,1434.95 1334.3,1463.74 1354.07,1463.74 v2(1368.68,1478.35)
NetU2_27: U2.27 U4.22 | length 1254.4
  Top Layer w8: U4.22@542.41,1586.51 543.14,1585.78 543.14,1561.43 543.34,1561.23 543.34,1553.49 578.87,1517.97 953.2,1517.97 1074.48,1396.68 v2(1310.85,1396.68) ; v2(1394.06,1497.35) 1395.14,1496.27 1494.3,1496.27 1557.82,1432.75 U2.27@1557.82,1381.86
  Bottom Layer w8: v2(1310.85,1396.68) 1311.27,1397.1 1311.27,1414.48 1345.8,1449.01 1364.54,1449.01 1374.88,1459.35 1376.55,1459.35 1394.06,1476.86 v2(1394.06,1497.35)
NetU2_34: U2.34 U3.18 | length 449.3
  Top Layer w8: U2.34@1727.12,1472.41 1982.41,1472.41 2041.96,1531.97 2088.52,1531.97 2109.49,1552.93 U3.18@2109.49,1586.51
NetU2_35: U2.35 U3.20 | length 399.1
  Top Layer w8: U2.35@1727.12,1492.1 1982.29,1492.1 2037.27,1547.07 2059.7,1547.07 2069.39,1556.76 2069.39,1585.78 U3.20@2070.12,1586.51
NetU2_36: U2.36 U3.22 | length 402.7
  Top Layer w8: U2.36@1727.12,1511.78 1773.4,1511.78 1905.78,1644.17 2007.8,1644.17 2030.75,1621.22 U3.22@2030.75,1586.51
NetU2_37: U2.37 U4.17 | length 1538.1
  Top Layer w8: U4.17@640.84,1586.51 640.84,1640.66 749.15,1748.96 859.89,1748.96 1034.56,1923.64 v2(1238.67,1923.64) ; v2(1399.62,1593.43) 1433.34,1559.71 1595.82,1559.71 1624.06,1531.47 U2.37@1727.12,1531.47
  Bottom Layer w8: v2(1238.67,1923.64) 1238.67,1746.93 1295.7,1689.89 1327.89,1689.89 1398.57,1619.21 1398.57,1594.48 v2(1399.62,1593.43)
NetU2_38: U2.38 U4.19 | length 1587.7
  Top Layer w8: U4.19@601.47,1586.51 601.47,1632.45 731.98,1762.96 854.09,1762.96 1033.94,1942.81 1257.82,1942.81 v2(1258,1942.63) ; v2(1427.06,1593.43) 1427.06,1591.86 1445.22,1573.71 1604.92,1573.71 1627.47,1551.15 U2.38@1727.12,1551.15
  Bottom Layer w8: v2(1258,1942.63) 1258,1747.39 1301.5,1703.89 1333.69,1703.89 1427.06,1610.52 v2(1427.06,1593.43)
NetU2_39: U2.39 U4.21 | length 1632.4
  Top Layer w8: U4.21@562.1,1586.51 562.38,1586.79 562.38,1617.2 722.14,1776.96 848.29,1776.96 1034.03,1962.7 1276.42,1962.7 v2(1276.65,1962.46) ; v2(1453.5,1593.43) 1607.32,1593.43 1629.91,1570.84 U2.39@1727.12,1570.84
  Bottom Layer w8: v2(1276.65,1962.46) 1277.94,1961.18 1277.94,1747.25 1307.3,1717.89 1339.49,1717.89 1451.87,1605.51 1451.87,1595.06 v2(1453.5,1593.43)
NetU2_40: U2.40 U3.12 | length 706.2
  Top Layer w8: U2.40@1727.12,1590.52 v2(1773.4,1590.52) ; v2(1840,1748) 2019.79,1748 2136.39,1631.4 2217.53,1631.4 2227.6,1621.34 U3.12@2227.6,1586.51
  Bottom Layer w8: v2(1773.4,1590.52) 1773.4,1681.4 v2(1840,1748)
NetU2_41: U2.41 U3.17 | length 557.5
  Top Layer w8: U2.41@1727.12,1610.21 v2(1793.46,1610.21) ; v2(1854.68,1725.17) 2022.82,1725.17 2129.17,1618.82 U3.17@2129.17,1586.51
  Bottom Layer w8: v2(1793.46,1610.21) 1793.46,1663.95 v2(1854.68,1725.17)
NetU2_42: U2.42 U3.19 | length 478.9
  Top Layer w8: U2.42@1727.12,1629.89 1727.7,1629.31 1813.22,1629.31 v2(1813.81,1628.72) ; v2(1872.12,1701.3) 2025.81,1701.3 2089.8,1637.31 U3.19@2089.8,1586.51
  Bottom Layer w8: v2(1813.81,1628.72) 1815.72,1630.63 1815.72,1644.91 v2(1872.12,1701.3)
NetU2_43: U2.43 U3.21 | length 379.3
  Top Layer w8: U2.43@1727.12,1649.58 1887.04,1649.58 1897.45,1659.99 2013.19,1659.99 2050.43,1622.75 U3.21@2050.43,1586.51
nFAULT: U2.54 U3.6 U4.6 | length 1840.2
  Top Layer w8: U4.6@857.38,1586.51 857.82,1586.95 857.82,1620.05 868.81,1631.04 880.56,1631.04 1017.03,1767.51 1342.96,1767.51 1379.38,1731.09 1546.83,1731.09 v2(1557.84,1742.1) U2.54@1557.83,1818.87 ; U3.6@2345.71,1586.51 v2(2345.71,1625.15)
  Bottom Layer w8: v2(1557.84,1742.1) 1557.84,1764.68 1608.58,1815.42 1936.97,1815.42 2127.24,1625.15 v2(2345.71,1625.15)
nRST: C11.2 U2.7 | length 45.2
  Top Layer w8: U2.7@1290.11,1629.89 v2(1335.35,1629.88)
OSC_N: C2.1 U2.6 X1.1 | length 216.1
  Top Layer w8: X1.1@1120.43,1617.48 1120.43,1646.07 1126.44,1652.09 1172.22,1652.09 C2.1@1191.93,1632.38 1209.13,1649.58 U2.6@1290.11,1649.58
OSC_P: C1.1 U2.5 X1.3 | length 266.4
  Top Layer w8: X1.3@1057.44,1704.09 1057.44,1702.74 1093.93,1666.25 1169.61,1666.25 C1.1@1191.93,1688.57 1211.24,1669.26 U2.5@1290.11,1669.26
PGND: C15.1 C30.1 C44.1 C48.1 CE1.2 CE2.2 CE3.2 CE4.2 FB1.1 J8.2 NT3.2 NT4.2 NT5.2 NT8.2 NT9.2 NT10.1 NT11.1 Q14.S R23.1 R24.1 R38.1 R39.1 R47.2 U5.4 U5.9 | length 7991.2
  Top Layer w8: v2(448.81,1136.23) C44.1@448.81,1159.52 ; NT11.1@1141.08,1093.56 1141.08,1092.84 1150.57,1083.35 v2(1197.27,1083.35) ; v2(1936.5,1137.83) 1936.5,1157.79 C30.1@1938.23,1159.52
  Top Layer w10: v3(2433.81,1105.22) C15.1@2433.81,1134.24
  Top Layer w12: 1638.92,1294.44 1643.57,1299.09 1657.02,1299.09 1667.36,1309.43 v3(1667.36,1326.39)
  Signal w8: v2(93.81,776.51) 106.09,776.51 114.32,784.75 114.32,1078 322.63,1286.32 338.94,1286.32 v2(353.48,1300.85) ; NT8.2@485.36,1335.31 485.36,1304.54 498.6,1291.29 542.77,1291.29 695.24,1138.83 695.24,1066.78 756.29,1005.73 756.29,797.82 777.61,776.51 v1(886.93,776.51) ; v2(719.58,1243.82) 719.58,1242.83 708.06,1231.32 708.06,1077.06 770.85,1014.28 770.85,846.34 808.19,809 883.41,809 v1(915.9,776.51) ; v2(1197.27,1083.35) 1197.27,1081.19 1203.79,1074.66 1203.79,1051.03 1229.58,1025.24 1459.36,1025.24 1482,1002.6 1482,647.61 1321.97,487.58 1286.93,487.58 1276.15,498.35 v1(1276.15,631.66) ; v2(1622.8,776.01) 1624.13,777.34 1624.13,788.38 1631.26,795.5 1631.26,962.02 1794.53,1125.29 1794.53,1261.94 1816.61,1284.02 1827.02,1284.02 1838.7,1295.69 v2(1838.7,1301.19) ; NT3.2@1974,1317.52 1974,1297.16 1985.08,1286.09 2109.87,1286.09 2191.14,1204.82 2191.14,1072.91 2256,1008.05 2256,797.83 2277.33,776.51 v1(2391.93,776.51) ; v2(2207.79,1244.11) 2207.79,1078.88 2270.8,1015.88 2270.8,841.27 2306.34,805.73 2391.68,805.73 v1(2420.9,776.51)
  Signal w10: v2(448.81,1136.23) 448.81,630.53 488.88,590.46 623.35,590.46 664.55,631.66 v1(886.93,631.66)
  Bottom Layer w8: v2(353.48,1300.85) NT9.2@368.48,1300.85 ; v2(1838.7,1301.19) NT4.2@1853.7,1301.19
  Bottom Layer w10: 1255.53,678.8 1255.53,698.74 1260.84,704.05 ; v3(1620.28,1220.82) U5.9@1622.82,1220.82 ; U5.9@1620.65,1220.82 1623.5,1220.82 1667.52,1264.83 U5.4@1667.52,1295.42 1667.44,1295.5 1667.44,1326.31 v3(1667.36,1326.39)
  Bottom Layer w20: v3(1661.61,1220.82) 1843.91,1220.82 1926.89,1137.83 v2(1936.5,1137.83) 2057.35,1137.83 2163.63,1244.11 2223.96,1244.11 2304.15,1163.93 2375.11,1163.93 v3(2433.81,1105.22) 2672.98,1105.22 2795.87,982.33 2795.87,908.65
  other v1: -158.41,585.08 -129.65,585.08 -100.89,585.08 -72.13,585.08 -43.37,585.08 -14.61,585.08 -158.41,613.84 -129.65,613.84 -100.89,613.84 -72.13,613.84 -43.37,613.84 -14.61,613.84 973.84,631.66 1305.12,631.66 1334.09,631.66 1363.06,631.66 2391.93,631.66 -158.41,642.6 -129.65,642.6 -100.89,642.6 -72.13,642.6 -43.37,642.6 -14.61,642.6 886.93,660.63 973.84,660.63 1276.15,660.63 1305.12,660.63 1334.09,660.63 1363.06,660.63 2391.93,660.63 2478.84,660.63 -158.41,671.36 -129.65,671.36 -100.89,671.36 -72.13,671.36 -43.37,671.36 -14.61,671.36 886.93,689.6 973.84,689.6 1276.15,689.6 1305.12,689.6 1334.09,689.6 1363.06,689.6 2391.93,689.6 -158.41,700.12 -129.65,700.12 -100.89,700.12 -72.13,700.12 -43.37,700.12 -14.61,700.12 886.93,718.57 973.84,718.57 1276.15,718.57 1305.12,718.57 1334.09,718.57 1363.06,718.57 2391.93,718.57 2478.84,718.57 -158.41,728.88 -129.65,728.88 -100.89,728.88 -72.13,728.88 -43.37,728.88 -14.61,728.88 886.93,747.54 973.84,747.54 1276.15,747.54 1305.12,747.54 1334.09,747.54 1363.06,747.54 2391.93,747.54 944.87,776.51 973.84,776.51 1276.15,776.51 1305.12,776.51 1334.09,776.51 1363.06,776.51 2449.87,776.51 2478.84,776.51
  other v3: 2795.87,926.31 2818.99,926.31 2842.12,926.31 1620.28,1189.52 1578.94,1220.82 1620.28,1252.11
SENSE_N: J7.2 R46.1 R47.1 | length 1162.7
  Top Layer w8: v2(1222.68,1083.42) 1264.64,1083.42 1275.72,1094.5 R46.1@1275.72,1112.39
  Signal w8: v2(1222.68,1083.42) 1222.68,1081.26 1218.48,1077.06 1218.48,1057.63 1236.87,1039.24 1465.16,1039.24 1496,1008.4 1496,641.81 1324.55,470.36 1287.69,470.36 1274.9,457.57 v1(1274.9,359.83)
  other v1: 1217.38,273.55 1246.14,273.55 1274.9,273.55 1303.66,273.55 1217.38,302.31 1246.14,302.31 1274.9,302.31 1303.66,302.31 1217.38,331.07 1246.14,331.07 1274.9,331.07 1303.66,331.07 1217.38,359.83 1246.14,359.83 1303.66,359.83
SENSE_P: C49.1 NT11.2 U6.8 | length 172.6
  Top Layer w8: U6.8@1127.34,1184.14 1174.56,1184.14 1195.41,1163.29 1195.41,1146.78 1186.46,1137.83 1166.53,1137.83 C49.1@1141.08,1112.39 NT11.2@1141.08,1101.56
SH_A: C19.1 J5.3 Q1.S Q4.D U3.46 | length 752
  Top Layer w8: v5(2249.41,1323.21) 2248.01,1321.81 2248.01,1288.03 U3.46@2247.28,1287.3 2247.28,1170.71 2397.55,1020.44 2397.55,834.01 2424.47,807.09 2504.73,807.09 2537.79,774.04 2537.79,761.98
  Bottom Layer w8: C19.1@2249.01,1301.8 2247.88,1302.93 2247.88,1321.68 v5(2249.41,1323.21)
SH_A_nP: C33.1 J6.3 Q7.S Q10.D U4.46 | length 672.6
  Top Layer w8: v5(759.4,1322.55) 759.17,1322.32 U4.46@759.17,1287.52 ; 1158.84,935.04 1148.08,945.8 1134.9,945.8 1121.3,959.41 1121.3,1018.14 1086.01,1053.43 933.61,1053.43 758.95,1228.09 U4.46@758.95,1287.3 ; U4.46@758.95,1287.3 U4.46@759.17,1287.52 ; U4.46@758.95,1287.3 U4.46@759.17,1287.52
  Bottom Layer w8: v5(759.4,1322.55) 759.66,1322.28 759.66,1301.12 C33.1@759.93,1300.85